# Altium PCB cheriot-test.PcbDoc (part 1 of 12) (continued)
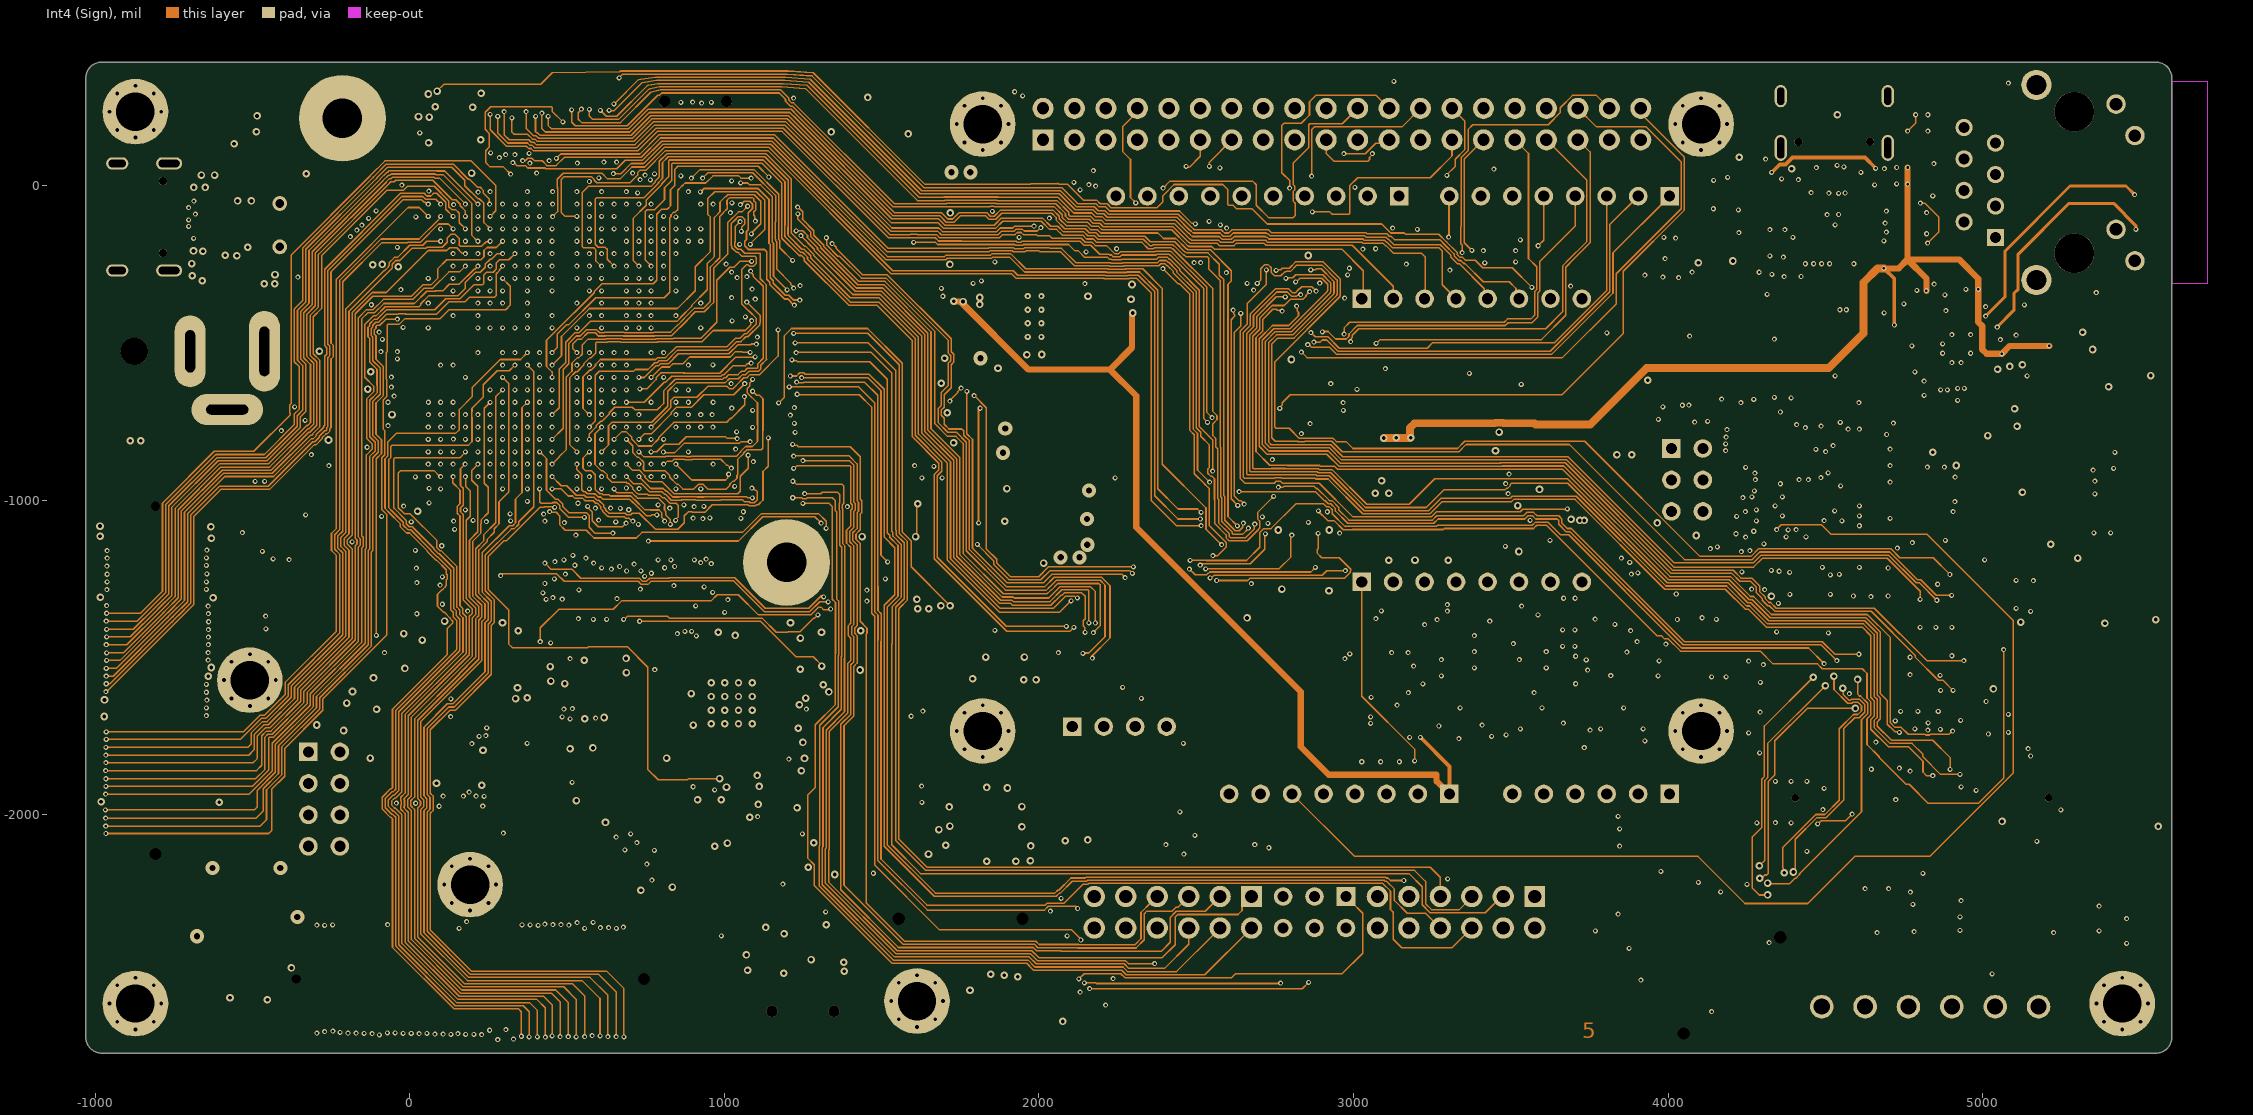
[diagram p5: Int4 (Sign)]
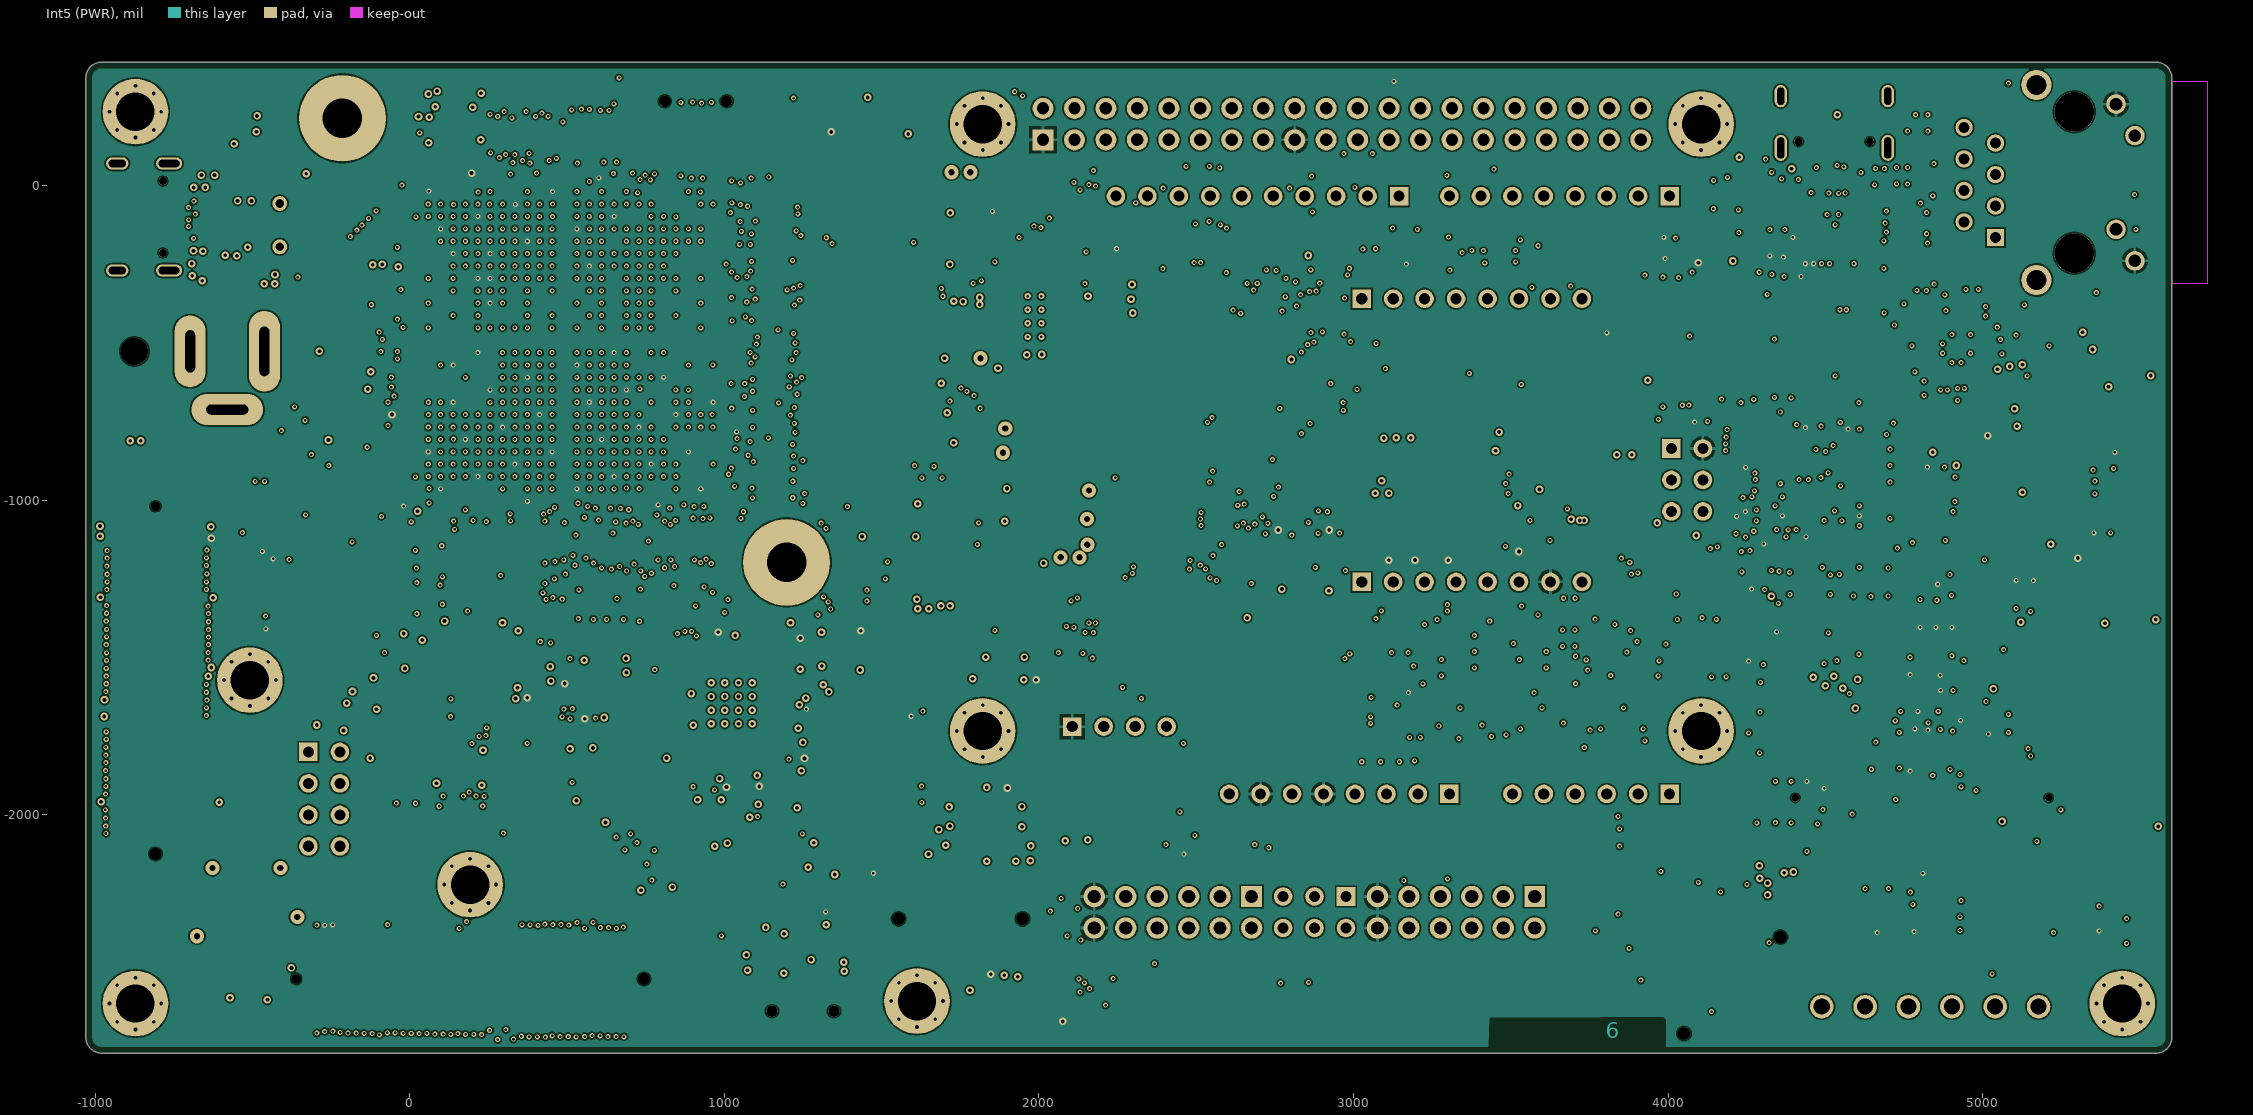
[diagram p6: Int5 (PWR)]
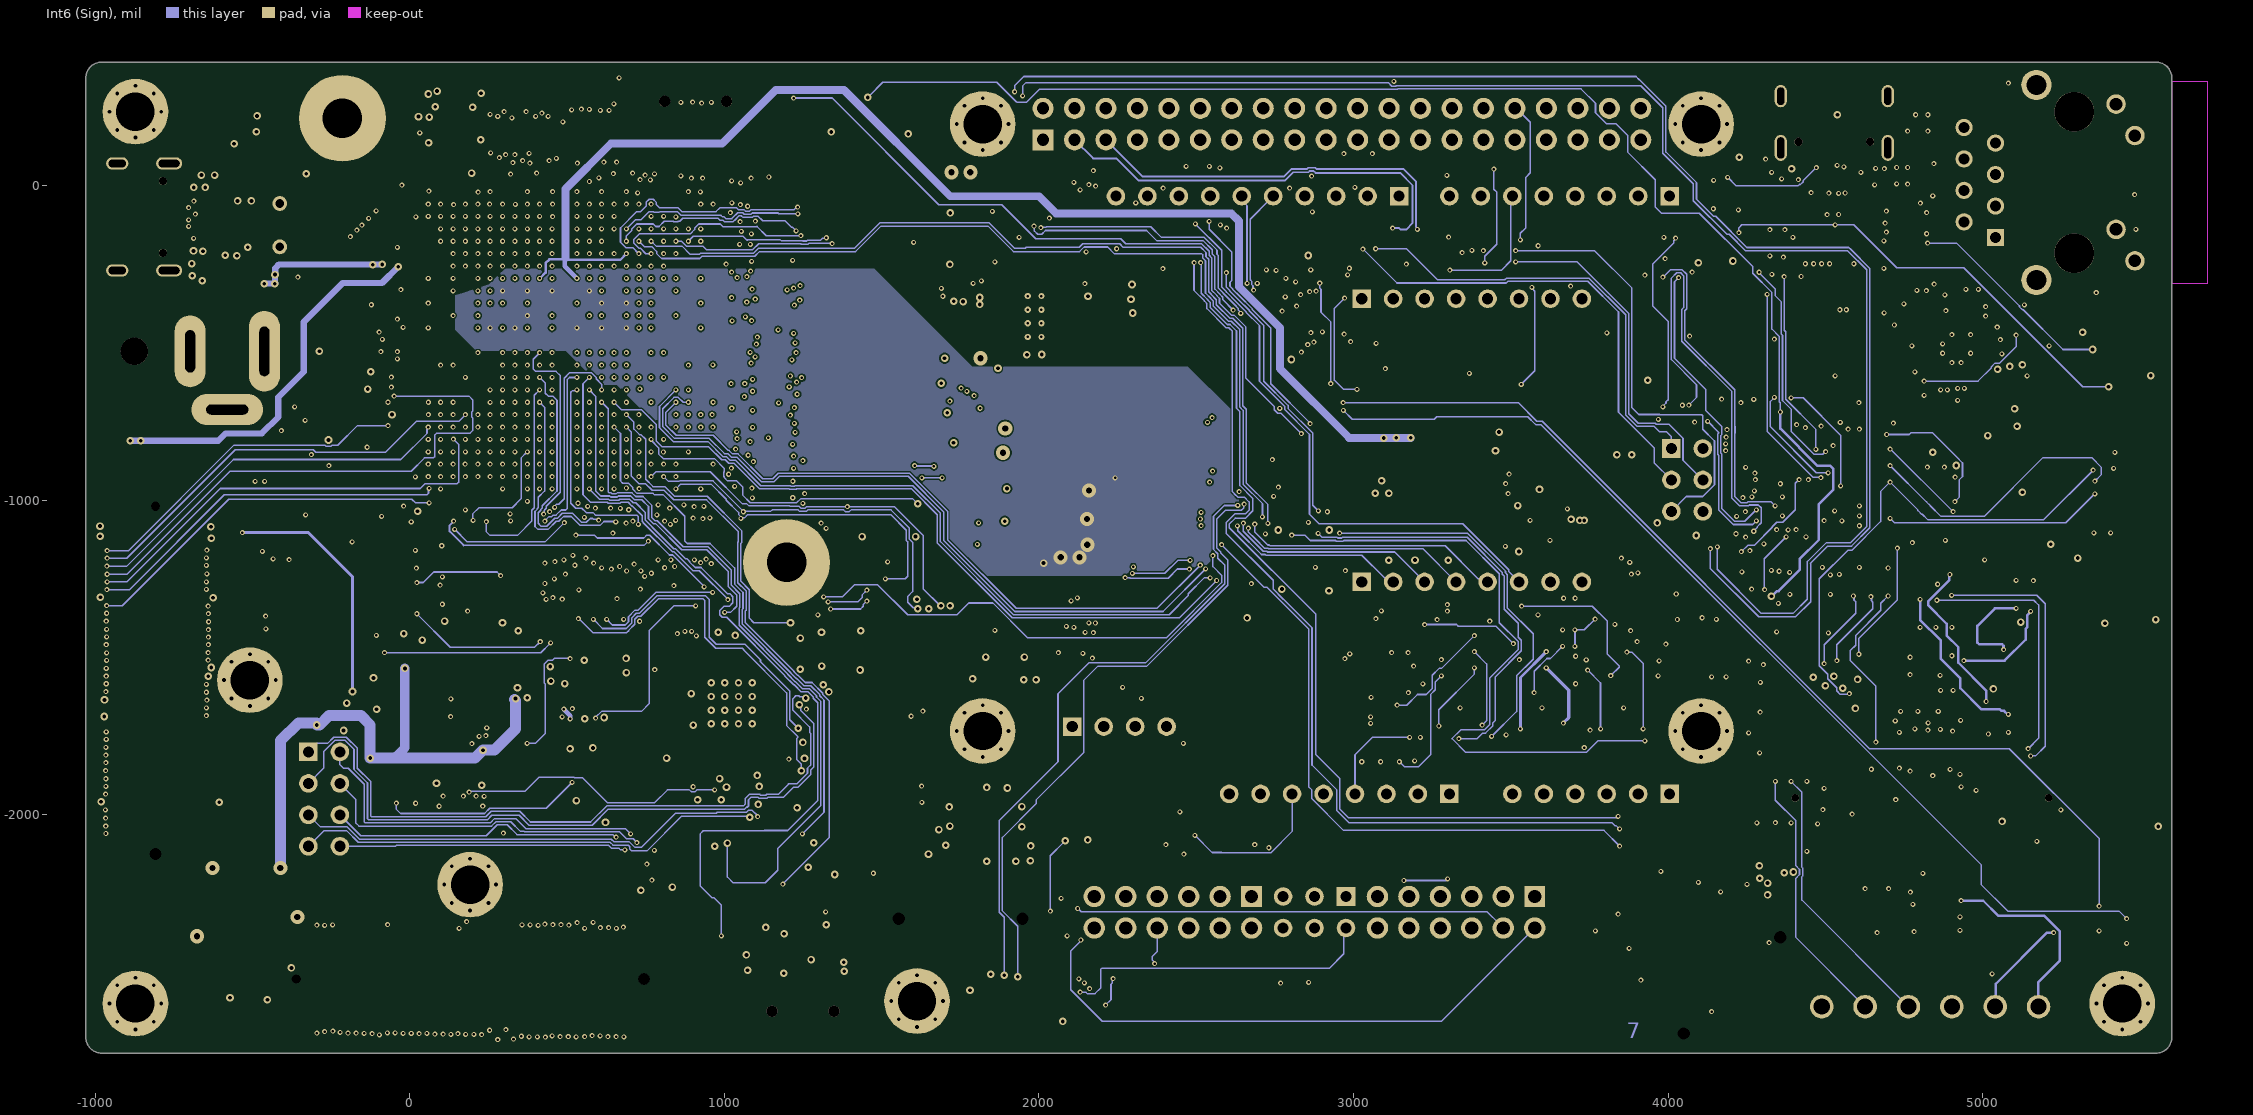
[diagram p7: Int6 (Sign)]

## Layer stack, top to bottom
Top Solder: solder mask 1, SM-001, Dk 4
Top Layer: signal copper 1.378
Dielectric 1: prepreg 2.8, PP-006, Dk 4.1
Dielectric 2: prepreg 2.8, PP-006, Dk 4.1
Int1 (Sign): signal copper 1.378
Dielectric 3: core 9, Core-027, Dk 4.5
Int2 (GND): signal copper 1.378
Dielectric 4: prepreg 2.8, PP-006, Dk 4.1
Dielectric 5: prepreg 2.8, PP-006, Dk 4.1
Int3 (Sign): signal copper 1.378
Dielectric 6: core 9, Core-027, Dk 4.5
Int4 (Sign): signal copper 1.378
Dielectric 7: prepreg 2.8, PP-006, Dk 4.1
Dielectric 8: prepreg 2.8, PP-006, Dk 4.1
Int5 (PWR): signal copper 1.378
Dielectric 9: core 9, Core-027, Dk 4.5
Int6 (Sign): signal copper 1.378
Dielectric 10: prepreg 2.8, PP-006, Dk 4.1
Dielectric 11: prepreg 2.8, PP-006, Dk 4.1
Bottom Layer: signal copper 1.378
Bottom Solder: solder mask 1, SM-001, Dk 4

## Board outline
-1029.13,-2707.56 -1029.13,342.05 cw(c-979.13,342.05) -979.13,392.05 -982.87,392.05 5550.79,392.05 cw(c5550.79,342.05) 5600.79,342.05 5600.79,-2707.56 cw(c5550.79,-2707.56) 5550.79,-2757.56 -977.87,-2757.56 -979.13,-2757.56 cw(c-979.13,-2707.56)

## Design rules (kind name [scope] priority, off if disabled: settings)
BoardOutlineClearance Silk_to_Outline [(OnLayer('Top Overlay'))] p1: gap=0 ignorepadtopadclearanceinfootprint=FALSE
BoardOutlineClearance [All] p2: gap=20 ignorepadtopadclearanceinfootprint=FALSE
Clearance Clearance_PolyHS [InNet('HYPERRAM*')] p1: gap=5 ignorepadtopadclearanceinfootprint=FALSE except(0: Arc-Hole Track-Hole SMDPad-Hole THPad-Hole Via-Hole Fill-Hole Poly-Hole Region-Hole Text-Hole; 20: Arc-Fill Arc-Poly Arc-Region Track-Fill Track-Poly Track-Region SMDPad-Fill SMDPad-Poly SMDPad-Region THPad-Fill THPad-Poly THPad-Region Via-Fill Via-Poly Via-Region Fill-Fill Fill-Poly Fill-Region Poly-Poly Poly-Region Region-Region)
Clearance [All] p2: gap=5 ignorepadtopadclearanceinfootprint=FALSE
ComponentClearance [All] p1: gap=4 collisioncheckmode=3 verticalgap=10 showdistances=FALSE
DiffPairsRouting USB_90OHM [InDifferentialPairClass('USB_DIFF_PAIR')] p1: maxlimit=10 minlimit=6 mostfreqgap=10 toplayer_maxgap=6 toplayer_prefgap=6 toplayer_minwidth=10 toplayer_maxwidth=12 toplayer_prefwidth=12 midlayer1_maxgap=6 midlayer1_prefgap=6 midlayer1_minwidth=10 midlayer1_maxwidth=12 midlayer1_prefwidth=12 midlayer2_mingap=10 midlayer2_minwidth=15 midlayer2_maxwidth=15 midlayer2_prefwidth=15 midlayer3_mingap=10 midlayer3_minwidth=15 midlayer3_maxwidth=15 midlayer3_prefwidth=15 midlayer4_mingap=10 midlayer4_minwidth=15 midlayer4_maxwidth=15 midlayer4_prefwidth=15 midlayer5_mingap=10 midlayer5_minwidth=15 midlayer5_maxwidth=15 midlayer5_prefwidth=15 midlayer6_mingap=10 midlayer6_minwidth=15 midlayer6_maxwidth=15 midlayer6_prefwidth=15 bottomlayer_maxgap=6 bottomlayer_prefgap=6 bottomlayer_minwidth=10 bottomlayer_maxwidth=12 bottomlayer_prefwidth=12 maxuncoupledlength=500
DiffPairsRouting ETHNET_100OHM [InDifferentialPairClass('USB_DIFF_PAIR')] p2: maxlimit=10 minlimit=6.1 mostfreqgap=6.1 toplayer_maxgap=6.1 toplayer_minwidth=10.1 toplayer_maxwidth=12.1 toplayer_prefwidth=12.1 midlayer1_maxgap=6.1 midlayer1_minwidth=10.1 midlayer1_maxwidth=12.1 midlayer1_prefwidth=12.1 midlayer2_maxgap=6.1 midlayer2_minwidth=10.1 midlayer2_maxwidth=12.1 midlayer2_prefwidth=12.1 midlayer3_maxgap=6.1 midlayer3_minwidth=10.1 midlayer3_maxwidth=12.1 midlayer3_prefwidth=12.1 midlayer4_maxgap=6.1 midlayer4_minwidth=10.1 midlayer4_maxwidth=12.1 midlayer4_prefwidth=12.1 midlayer5_mingap=10 midlayer5_prefgap=10 midlayer5_minwidth=15 midlayer5_maxwidth=15 midlayer5_prefwidth=15 midlayer6_mingap=10 midlayer6_prefgap=10 midlayer6_minwidth=15 midlayer6_maxwidth=15 midlayer6_prefwidth=15 bottomlayer_maxgap=6.1 bottomlayer_minwidth=10.1 bottomlayer_maxwidth=12.1 bottomlayer_prefwidth=12.1 maxuncoupledlength=500
DiffPairsRouting [InDifferentialPair('D_USB')] p3: maxlimit=10 minlimit=6 mostfreqgap=10 toplayer_maxgap=6 toplayer_prefgap=6 toplayer_minwidth=6 toplayer_maxwidth=12 toplayer_prefwidth=12 midlayer1_mingap=10 midlayer1_minwidth=15 midlayer1_maxwidth=15 midlayer1_prefwidth=15 midlayer2_mingap=10 midlayer2_minwidth=15 midlayer2_maxwidth=15 midlayer2_prefwidth=15 midlayer3_mingap=10 midlayer3_minwidth=15 midlayer3_maxwidth=15 midlayer3_prefwidth=15 midlayer4_mingap=10 midlayer4_minwidth=15 midlayer4_maxwidth=15 midlayer4_prefwidth=15 midlayer5_mingap=10 midlayer5_minwidth=15 midlayer5_maxwidth=15 midlayer5_prefwidth=15 midlayer6_mingap=10 midlayer6_minwidth=15 midlayer6_maxwidth=15 midlayer6_prefwidth=15 bottomlayer_maxgap=6 bottomlayer_prefgap=6 bottomlayer_minwidth=6 bottomlayer_maxwidth=12 bottomlayer_prefwidth=12 maxuncoupledlength=500
HoleSize [All] p1: absolutevalues=TRUE maxlimit=200 minlimit=8 maxpercent=80.000 minpercent=20.000
MatchedLengths HRam_DQRWDS [InNetClass('HYPER_1_Length')] p1: tolerance=5 checknetsindiffpair=FALSE checkdiffpairvsdiffpair=TRUE checkxsignals=TRUE checkothers=TRUE usedelayunits=TRUE delaytolerance=2.000000
MatchedLengths HRam_Clock [InNetClass('HYPER_1_Clks')] p2: tolerance=4 checknetsindiffpair=TRUE checkdiffpairvsdiffpair=FALSE checkxsignals=FALSE checkothers=FALSE usedelayunits=TRUE delaytolerance=1.000000
MatchedLengths HRam_GeneralOther [InNetClass('HYPER_200mil_Length')] p3: tolerance=200 checknetsindiffpair=FALSE checkdiffpairvsdiffpair=TRUE checkxsignals=TRUE checkothers=TRUE
MinimumSolderMaskSliver [All] p1: minsoldermaskwidth=12
PlaneConnect PlaneConnect_viaDirect [IsVia] p1: planeconnectstyle=Direct reliefexpansion=20 reliefentries=4 reliefconductorwidth=10 reliefairgap=10
PlaneConnect [All] p2: planeconnectstyle=Relief reliefexpansion=20 reliefentries=4 reliefconductorwidth=10 reliefairgap=10
PolygonConnect PolyConnectSMPS [IsNamedPolygon('SMPS_POLY_3V3') or IsNamedPolygon('SMPS_POLY_NETL1_1')  or IsNamedPolygon('SMPS_POLY_NETL2') or IsNamedPolygon('SMPS_POLY_VCCINT') or IsNamedPolygon('VCCUSB3V3_THERMAL')  or IsNamedPolygon('VCC1V8_THERMAL')] p1: thpad.connectstyle=Direct thpad.reliefconductorwidth=10 thpad.reliefentries=4 thpad.polygonreliefangle="90 Angle" thpad.airgapwidth=10 smdpad.connectstyle=Direct smdpad.reliefconductorwidth=10 smdpad.reliefentries=4 smdpad.polygonreliefangle="90 Angle" smdpad.airgapwidth=10 via.connectstyle=Relief via.reliefconductorwidth=10 via.reliefentries=4 via.polygonreliefangle="90 Angle" via.airgapwidth=10
PolygonConnect PolygonConnect_viaDirect [All vs isVia] p2: connectstyle=Direct reliefconductorwidth=10 reliefentries=4 polygonreliefangle="90 Angle" airgapwidth=10
PolygonConnect [All] p3: thpad.connectstyle=Relief thpad.reliefconductorwidth=10 thpad.reliefentries=4 thpad.polygonreliefangle="90 Angle" thpad.airgapwidth=10 smdpad.connectstyle=Relief smdpad.reliefconductorwidth=10 smdpad.reliefentries=4 smdpad.polygonreliefangle="90 Angle" smdpad.airgapwidth=10 via.connectstyle=Direct via.reliefconductorwidth=10 via.reliefentries=4 via.polygonreliefangle="90 Angle" via.airgapwidth=10
RoutingVias Routing_VIA [All] p1: holewidth=8 width=16 viastyle="Through Hole" minholewidth=8 minwidth=16 maxholewidth=50 maxwidth=50
RoutingVias [All] p2: holewidth=28 width=50 viastyle="Through Hole" minholewidth=28 minwidth=50 maxholewidth=28 maxwidth=50
SilkToSilkClearance [All] p1: silktosilkclearance=1
SilkToSolderMaskClearance [IsPad] p1: minsilkscreentomaskgap=5 clearancetoexposedcopper=TRUE
SolderMaskExpansion [All] p1: expansion=4 istentingtop=FALSE
SupplyNets "Schematic Supply Nets_8" [InNet('+1V85_XADC_VCC')] p1: voltage=0.000
SupplyNets "Schematic Supply Nets_7" [InNet('VCCUSB3V3')] p2: voltage=0.000
SupplyNets "Schematic Supply Nets_6" [InNet('VCC_1V8A')] p3: voltage=0.000
SupplyNets "Schematic Supply Nets_5" [InNet('3V3_FTDI')] p4: voltage=0.000
SupplyNets "Schematic Supply Nets_4" [InNet('VCCOPAMP')] p5: voltage=0.000
SupplyNets "Schematic Supply Nets_3" [InNet('VCCINT')] p6: voltage=0.000
SupplyNets "Schematic Supply Nets_2" [InNet('1V8_FTDI')] p7: voltage=0.000
SupplyNets "Schematic Supply Nets_1" [InNet('VCC1V8')] p8: voltage=0.000
SupplyNets "Schematic Supply Nets" [InNet('GND')] p9: voltage=0.000
Width [All] p1: maxlimit=100 minlimit=5 preferedwidth=5 midlayer5_minwidth=10 midlayer5_maxwidth=10 midlayer5_prefwidth=10 midlayer6_minwidth=10 midlayer6_maxwidth=10 midlayer6_prefwidth=10 minimp=50.000000 maximp=50.000000 favimp=50.000000
23 further rules are at their usual default settings.

## Classes and differential pairs
component class sb-sonata-expandheader: J8 J10
net class Power: 3V3_FTDI PWRIN_5V USB_VBUS VCC1V8 VCCUSB3V3
differential pair class ETHERNET: ETHMAC_RX ETHMAC_TX
differential pair class USB_DIFF_PAIR: FTDI RP RP2040 USB
component class sb-sonata-fpgaio2: R125 R126 R127 R128 R172 R173 R174 R176 R186 R187 R194
component class sb-sonata-analoginput: C97 C98 C99 C100 C101 C102 C103 C104 C105 C106 C107 L7 R75 R76 R77 R78 R79 R80 R81 R82 R83 R84 R85 R86 R87 R88 R89 R90 R91 R92 R93 R94 R95 R96 R97 R98 R99 R100 R101 R102 R103 R104 R105 R106 R107 R108 R109 R110 R111 R112 R113 R114 R115 R116 R117 U20 U21
differential pair class DIFF90: FTDI USBC_3_D USBC_F_D USRUSB_V
differential pair class ANALOG: XADC_VREF
component class sb-sonata-fpganaalog: C56 C57 C58 C59 C60 C140 L3 R37 R38 R195 U14 U15 U22 U23
component class sb-sonata-lcd: C112 C113 C114 C115 LCD1 Q2 R130 R131 R132 R133
component class sb-sonata-fpga: C141 J11 R5 R6 R118 R119 R120 R121 R122 R123 R134 SW1 Y2
component class sb-sonata-usbhub: C42 C43 C44 C45 C46 C47 C48 C94 C95 C96 R12 R13 R14 R16 R17 R18 R72 R73 R74 R203 U12 X1
component class sb-sonata-expandheader2: U4
component class sb-sonata-mech: HS1 MH1 MH2 MH3 MH4 MH5 MH6 MH7 MH8 MH9 MH10
component class sb-sonata-usbphy: C50 C51 C52 C53 C54 C55 J6 R22 R23 R24 R25 R26 R27 R28 R29 R30 R31 R32 R33 R34 R35 R36 R41 U13
component class sb-sonata-usbrp: C81 C82 C83 C84 C85 C86 C87 C88 C89 C90 C91 C92 C93 D26 D27 D28 P9 R53 R54 R55 R56 R57 R58 R59 R60 R61 R62 R63 R64 R65 R66 R67 R68 R69 R70 R71 R200 R201 R202 SW3 SW9 SW10 U11 U18 U19 X2
component class sb-sonata-psu: C30 C31 C32 C33 C34 C35 C36 C37 C38 C39 C40 C41 C66 C67 C68 C143 C144 C145 C146 C147 C148 C149 C150 C151 L1 L2 R7 R8 R9 R10 R11 R15 R214 R215 R216 SW6 U2 U8 U9 U10
component class sb-sonata-fpgapwr: C6 C7 C8 C9 C10 C11 C12 C13 C14 C15 C16 C17 C18 C19 C20 C21 C22 C23 C24 C25 C26 C27 C28 C29 C110 C111 C139 C152 C153 C154 C155 C156 C157 C158 C159 C160 C161
component class sb-sonata-fpgaio1: C80 R45 R46 R47 R48 R49 R50 R51 R52 R168 R169 R170 R171 R175 R177 R178 R179 R180 R181 R182 R183 R184 R185 R188 R189 R190 R191 R212 R213 U17
component class sb-sonata-ethmac: C108 C109 C123 C124 C125 C126 C127 C128 C129 C130 C131 C132 C133 L8 L9 R124 R167 R211 U6 Y3
component class sb-sonata-microsd: C121 C122 R160 R161 R162 R163 R164 R165 R166 SD1
component class sb-sonata-led: D3 D4 D5 D6 D7 D8 D9 D10 D11 D12 D13 D14 D15 D16 D17 D18 D19 D20 D22 D23 D25 LED1 LED2 Q3 Q6 Q7 R19 R20 R138 R139 R140 R141 R142 R143 R144 R145 R146 R147 R148 R149 R150 R151 R153 R154 R155 R156 R157 R158 R159 R192 R193 R205 R210 SW4 SW5 SW7 SW8
component class sb-sonata-debug: C69 C70 C71 C72 C73 C74 C75 C76 C77 C78 C79 C117 C134 C135 C136 C137 C138 J4 J5 L5 L6 R42 R43 R44 R199 SJ2 SW2 U5 U16 Y1
component class sb-sonata-industriaal: C49 C61 C62 C63 C64 C65 C118 C119 C120 C142 E2 E3 J3 R21 R39 R40 R135 R136 R137 R196 R197 R198 R204 U3 U7
component class sb-sonata-usb: C1 C2 C3 C4 C5 C116 J2 J9 Q1 Q4 Q5 R1 R2 R3 R4 R129 U1
component class sb-sonata-headers1: J1 J7 P1 P2 P3 P4 P5 P6 P7 P8 P11 P12 PMOD0 PMOD1 R206 R207 R208 R209 SJ1
differential pair USRUSB_V: +USRUSB_V_P -USRUSB_V_N
differential pair USBC_F_D: +USBC_F_D_P -USBC_F_D_N
differential pair RP: +RP_P -RP_N
differential pair ETHMAC_TX: +ETHMAC_TX_P -ETHMAC_TX_N
differential pair ETHMAC_RX: +ETHMAC_RX_P -ETHMAC_RX_N
differential pair USB: +USB_P -USB_N
differential pair RP2040: +RP2040_P -RP2040_N
differential pair ANALOG5: +ANALOG5_P -ANALOG5_N
differential pair ANALOG4: +ANALOG4_P -ANALOG4_N
differential pair ANALOG3: +ANALOG3_P -ANALOG3_N
differential pair ANALOG2: +ANALOG2_P -ANALOG2_N
differential pair ANALOG1: +ANALOG1_P -ANALOG1_N
differential pair ANALOG0: +ANALOG0_P -ANALOG0_N
differential pair FTDI: +FTDI_P -FTDI_N
differential pair XADC_VREF: +XADC_VREF_P -XADC_VREF_N
differential pair USBC_3_D: +USBC_3_D_P -USBC_3_D_N
